# KiCad board myCnc2.kicad_pcb
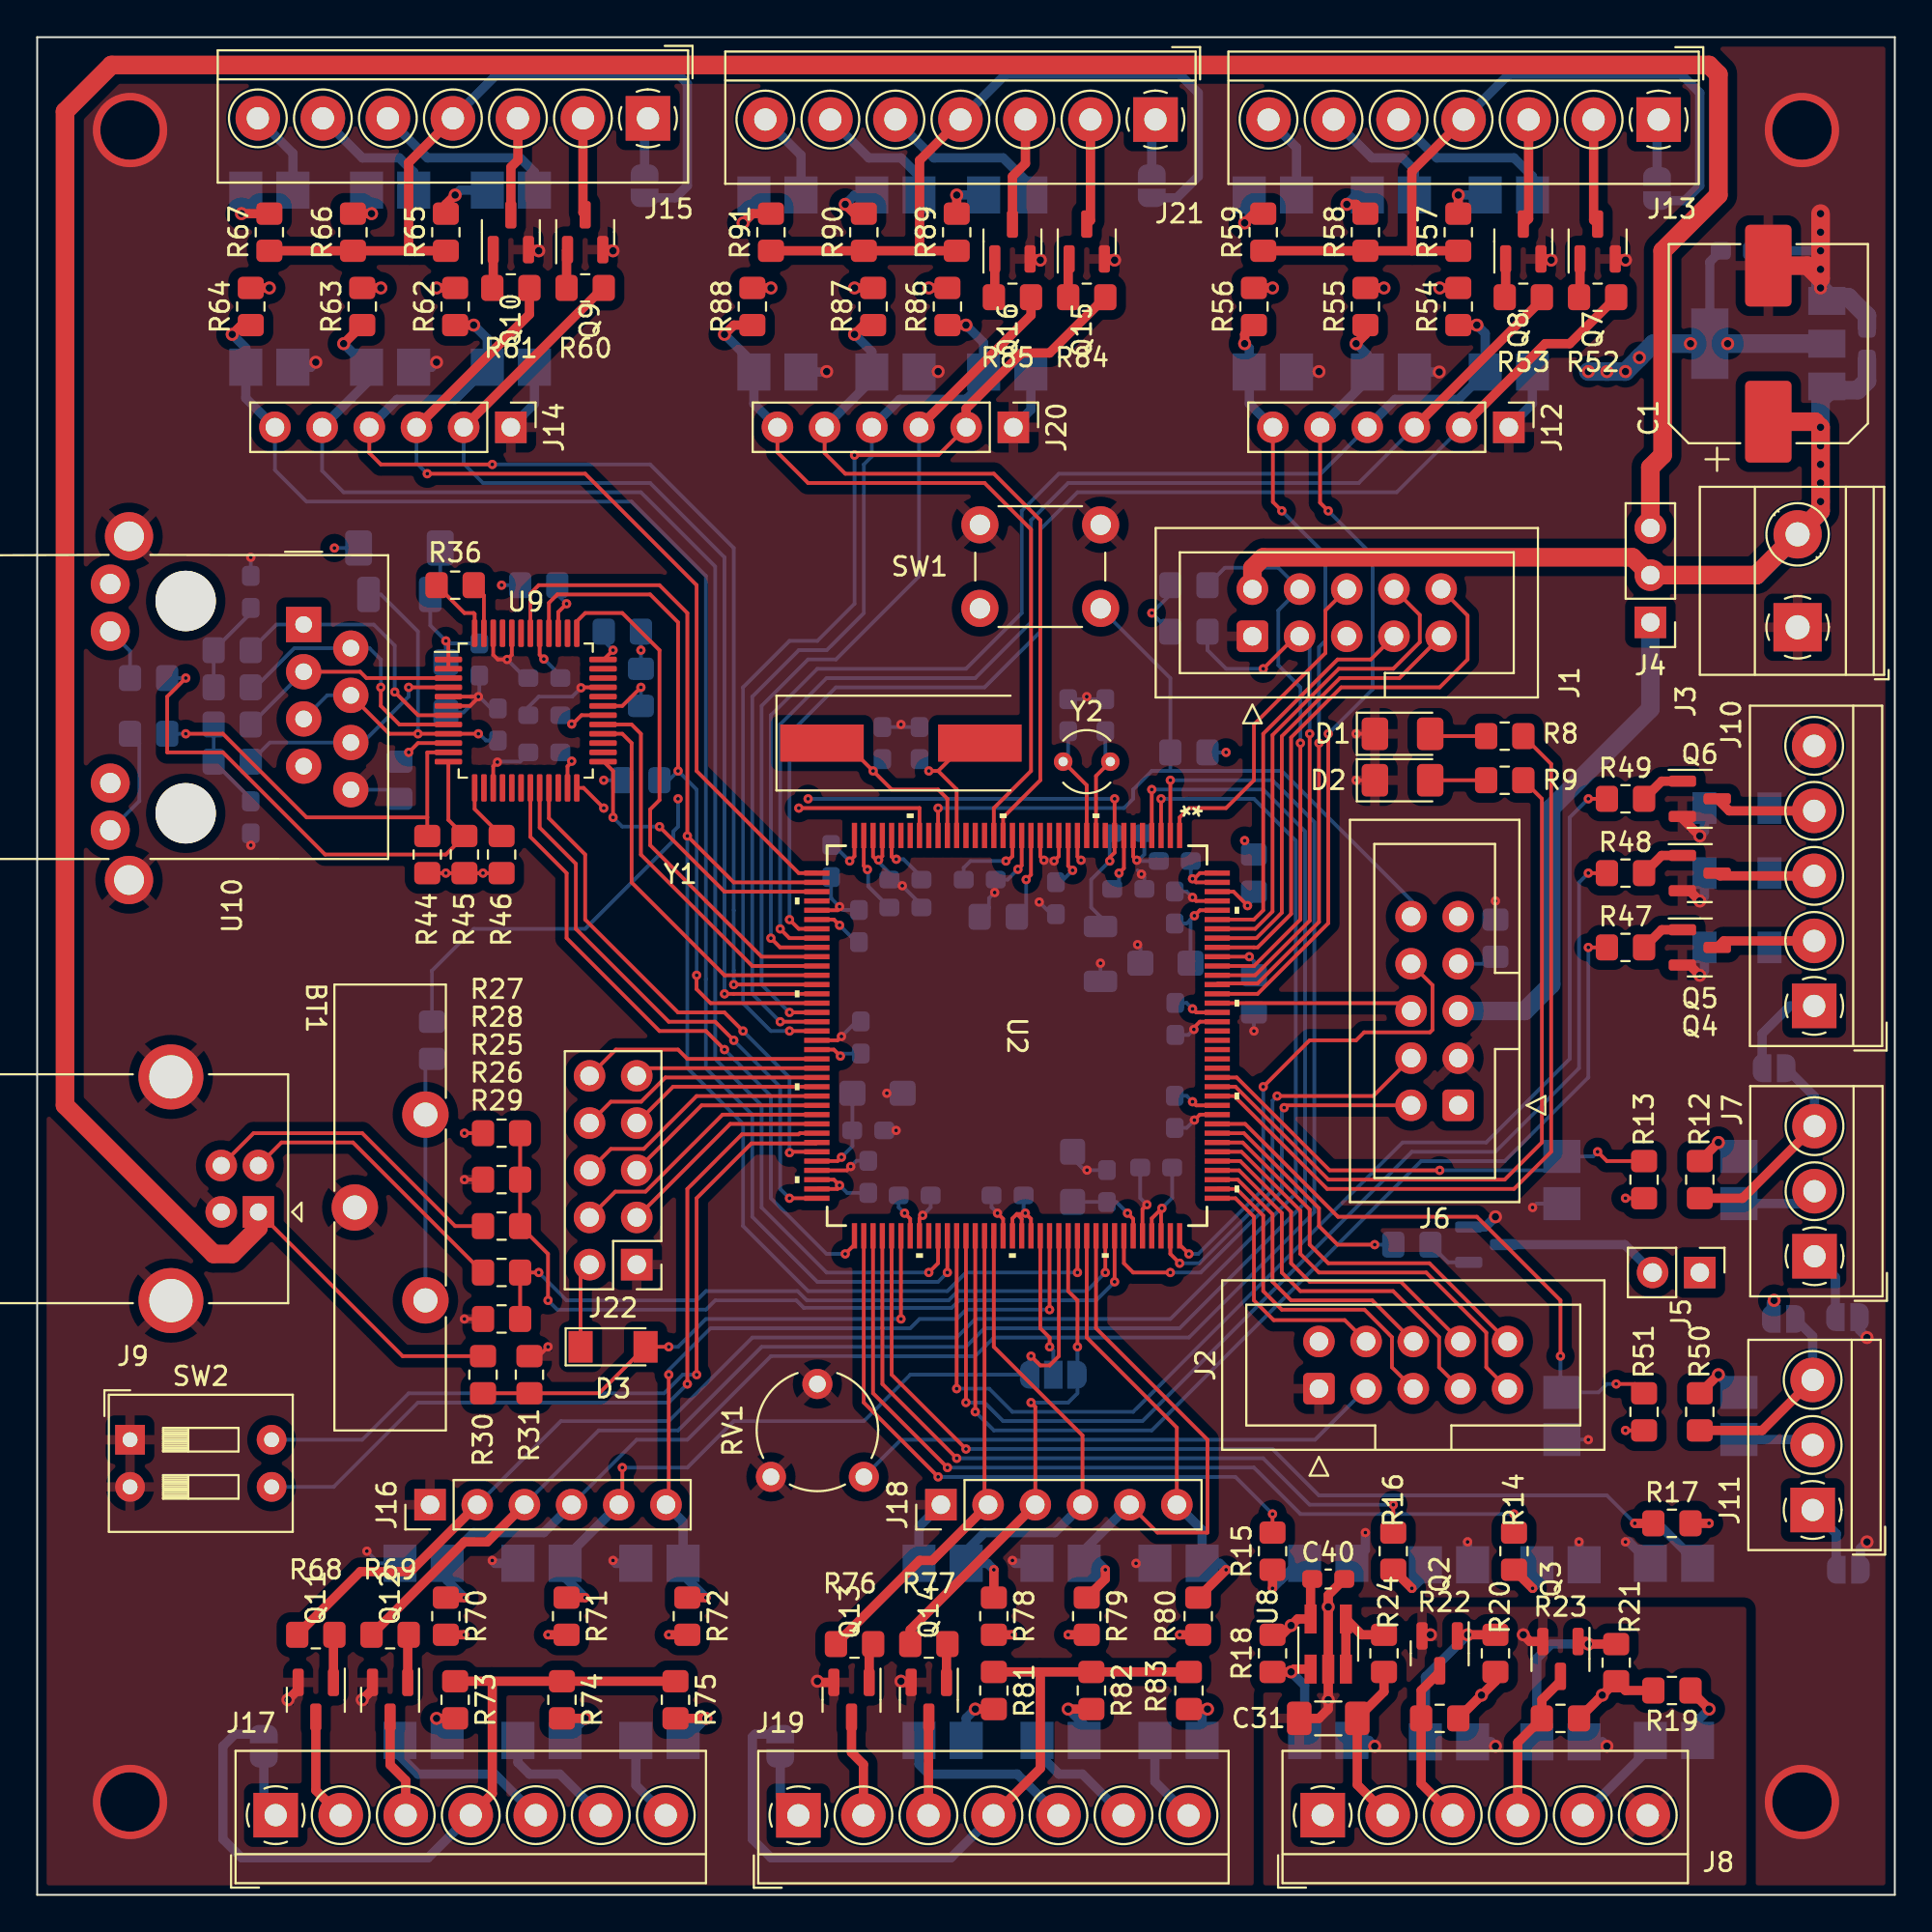
[diagram p0: board, top side]
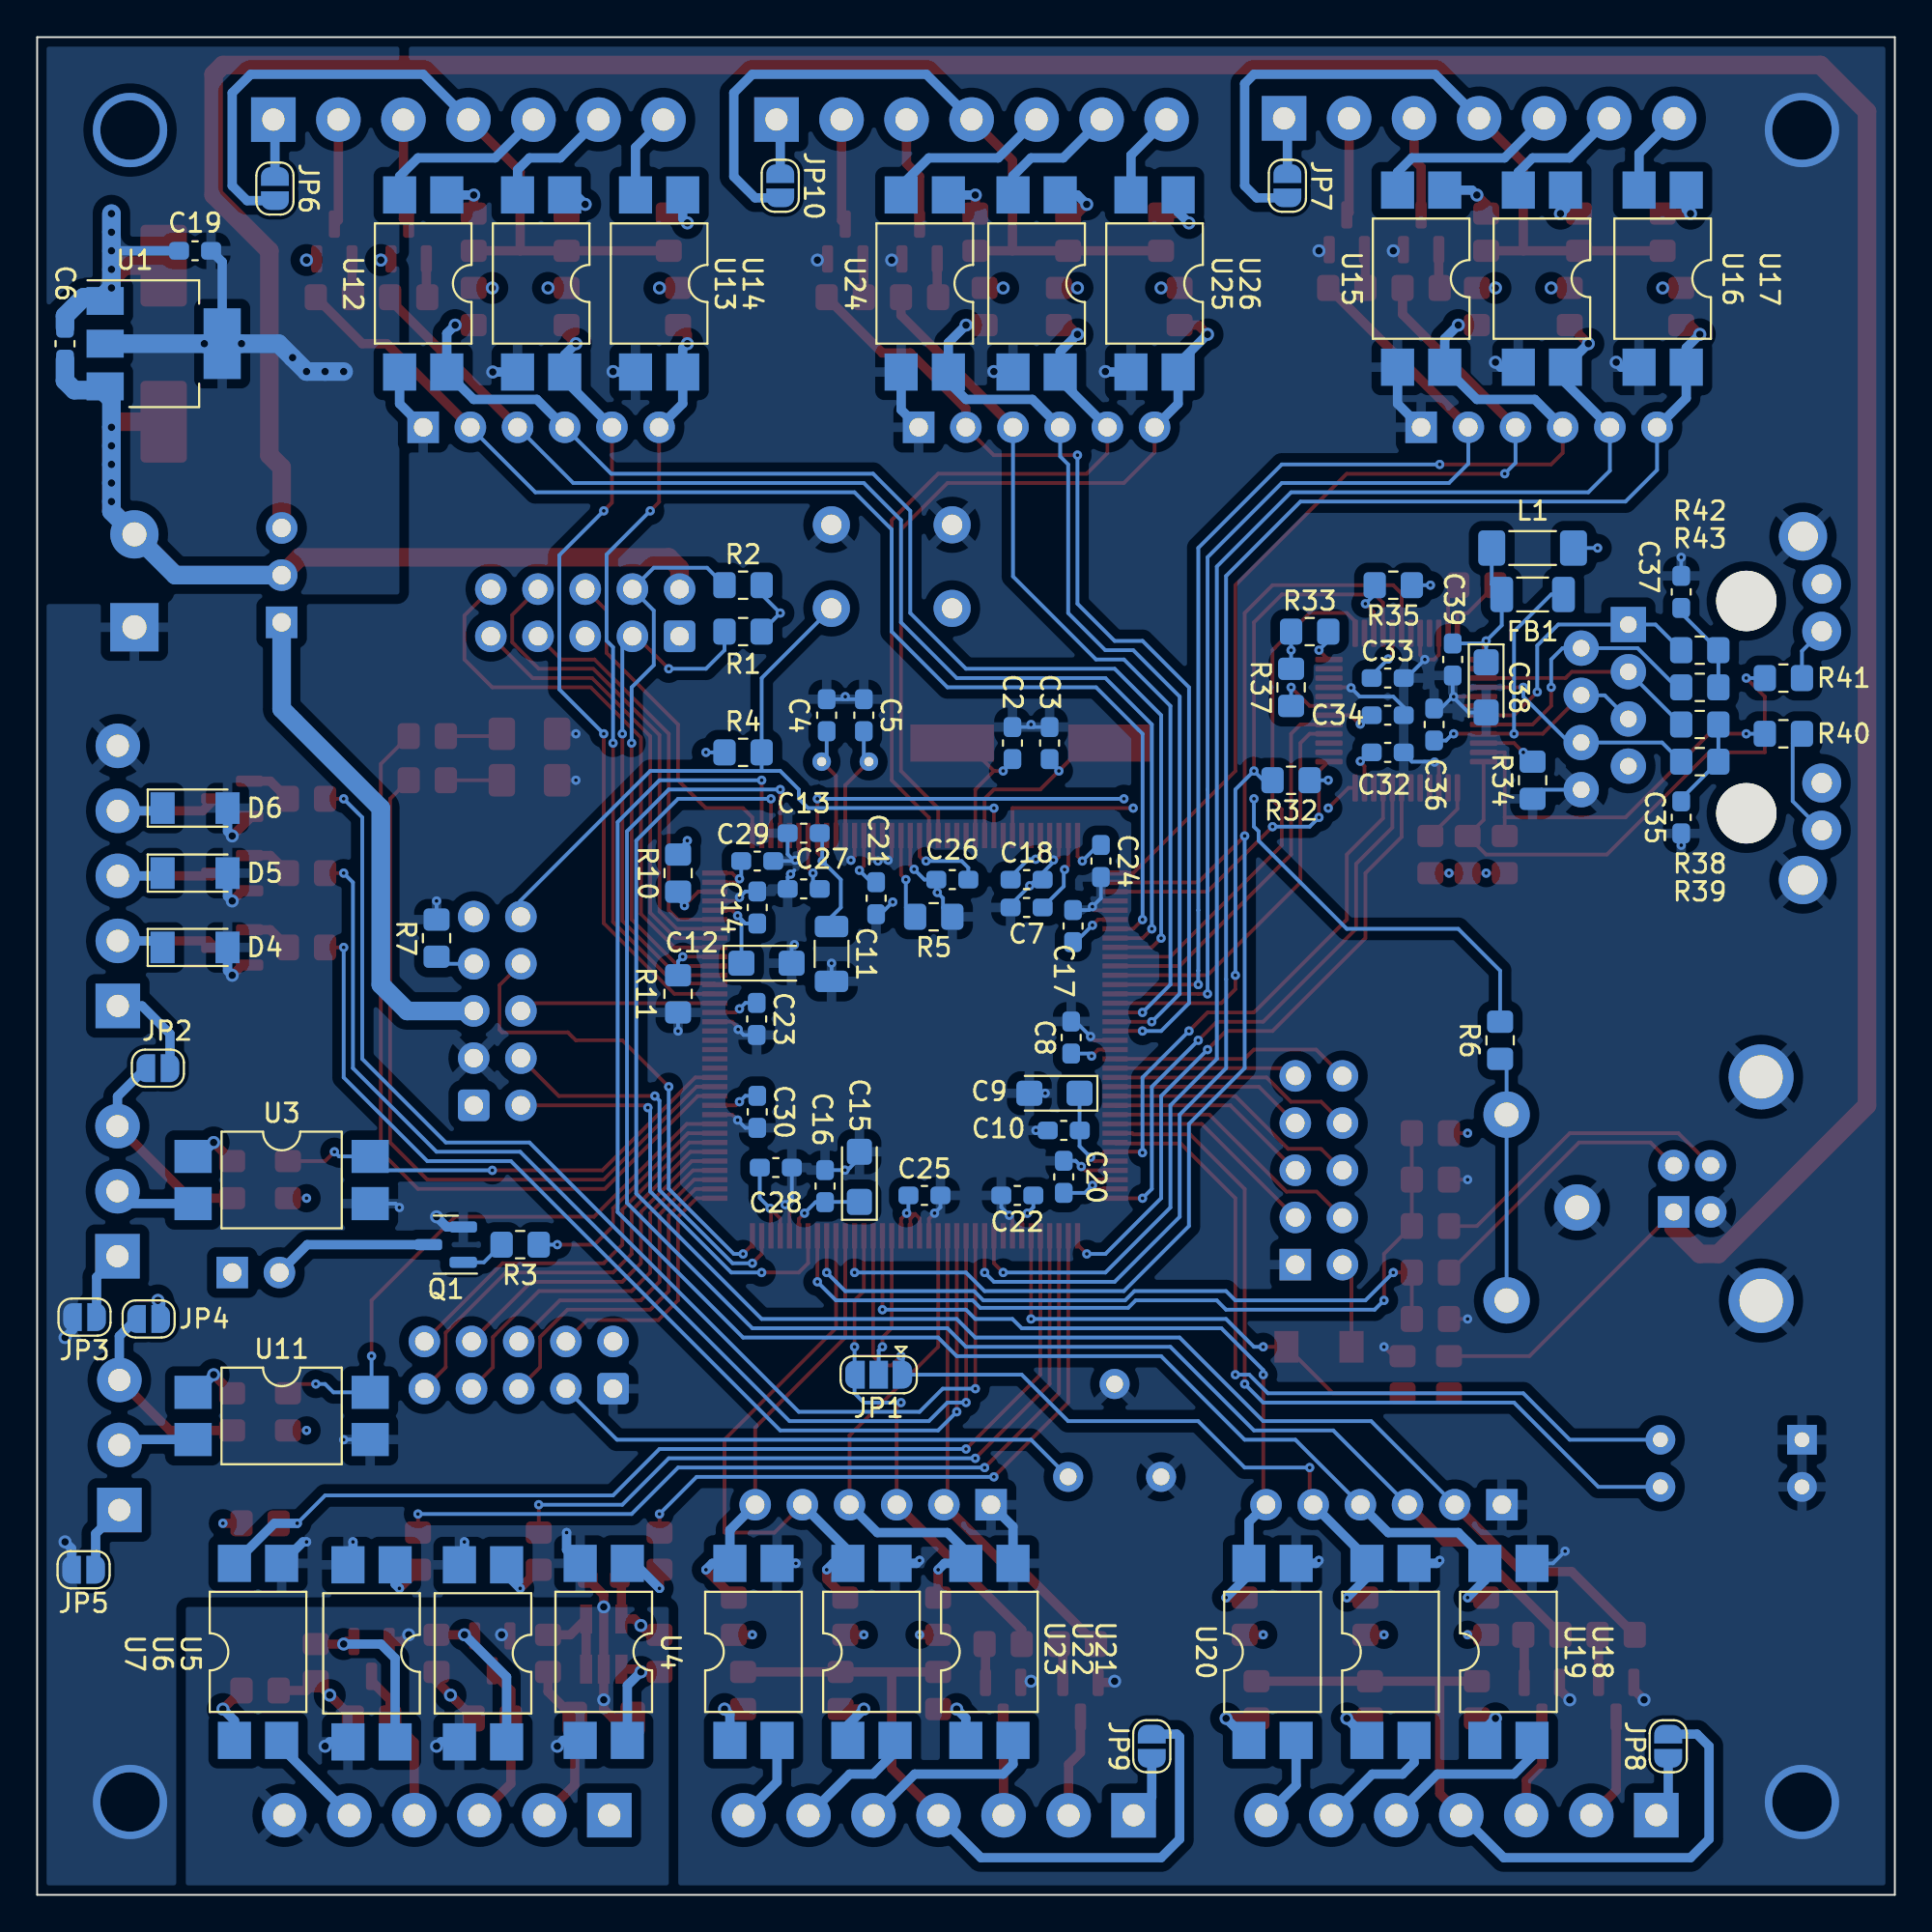
[diagram p1: board, bottom side, seen from below]

Outline 100 x 100 mm; copper layers: Top, In1.Cu (plane), In2.Cu (plane), Bottom. Coordinates in mm from the lower left corner of the outline.
Outline path: 0,100 100,100 100,0 0,0 0,100
Stack: Top 0.035mm / dielectric 1.51mm FR4 er 4.5 / In1.Cu 0.035mm / dielectric 1.51mm FR4 er 4.5 / In2.Cu 0.035mm / dielectric 1.51mm FR4 er 4.5 / Bottom 0.035mm

## Placement (name value [footprint] x y rotation side)
BT1  Battery_Cell  [DS-1092_CR2032_VERTICAL]  19 37 270 top
C1  1000uF/16V  [CP_Elec_10x12.5]  93.19 83.5 90 top
C2  22pF  [C_0603_1608Metric_Pad1.08x0.95mm_HandSolder]  47.5 62 270 bottom
C3  22pF  [C_0603_1608Metric_Pad1.08x0.95mm_HandSolder]  45.5 62 270 bottom
C4  10pF  [C_0603_1608Metric_Pad1.08x0.95mm_HandSolder]  57.5 63.5 270 bottom
C5  10pF  [C_0603_1608Metric_Pad1.08x0.95mm_HandSolder]  55.5 63.5 270 bottom
C6  100nF  [C_0603_1608Metric_Pad1.08x0.95mm_HandSolder]  98.5 83.5 90 bottom
C7  100nF  [C_0603_1608Metric_Pad1.08x0.95mm_HandSolder]  46.74 53.15 0 bottom
C8  100nF  [C_0603_1608Metric_Pad1.08x0.95mm_HandSolder]  44.34 46.15 90 bottom
C9  2.2uF  [CP_EIA-3216-18_Kemet-A]  45.24 43.15 0 bottom
C10  100nF  [C_0603_1608Metric_Pad1.08x0.95mm_HandSolder]  44.74 41.15 0 bottom
C11  1uF  [C_1206_3216Metric]  57.24 50.65 270 bottom
C12  2.2uF  [CP_EIA-3216-18_Kemet-A]  60.74 50.15 180 bottom
C13  100nF  [C_0603_1608Metric_Pad1.08x0.95mm_HandSolder]  58.74 57.15 0 bottom
C14  100nF  [C_0603_1608Metric_Pad1.08x0.95mm_HandSolder]  61.24 53.15 90 bottom
C15  2.2uF  [CP_EIA-3216-18_Kemet-A]  55.74 38.65 90 bottom
C16  100nF  [C_0603_1608Metric_Pad1.08x0.95mm_HandSolder]  57.59 38.15 90 bottom
C17  100nF  [C_0603_1608Metric_Pad1.08x0.95mm_HandSolder]  44.24 52.15 90 bottom
C18  100nF  [C_0603_1608Metric_Pad1.08x0.95mm_HandSolder]  46.74 54.65 180 bottom
C19  100nF  [C_0603_1608Metric_Pad1.08x0.95mm_HandSolder]  91.5 88.5 0 bottom
C20  100nF  [C_0603_1608Metric_Pad1.08x0.95mm_HandSolder]  44.74 38.65 90 bottom
C21  100nF  [C_0603_1608Metric_Pad1.08x0.95mm_HandSolder]  54.84 53.65 270 bottom
C22  100nF  [C_0603_1608Metric_Pad1.08x0.95mm_HandSolder]  47.24 37.65 0 bottom
C23  100nF  [C_0603_1608Metric_Pad1.08x0.95mm_HandSolder]  61.27 47.15 270 bottom
C24  100nF  [C_0603_1608Metric_Pad1.08x0.95mm_HandSolder]  42.74 55.65 270 bottom
C25  100nF  [C_0603_1608Metric_Pad1.08x0.95mm_HandSolder]  52.24 37.65 180 bottom
C26  100nF  [C_0603_1608Metric_Pad1.08x0.95mm_HandSolder]  50.74 54.65 0 bottom
C27  100nF  [C_0603_1608Metric_Pad1.08x0.95mm_HandSolder]  58.74 54.15 0 bottom
C28  100nF  [C_0603_1608Metric_Pad1.08x0.95mm_HandSolder]  60.24 39.15 180 bottom
C29  100nF  [C_0603_1608Metric_Pad1.08x0.95mm_HandSolder]  61.24 55.65 180 bottom
C30  100nF  [C_0603_1608Metric_Pad1.08x0.95mm_HandSolder]  61.24 42.15 270 bottom
C31  1uF  [C_1206_3216Metric_Pad1.33x1.80mm_HandSolder]  69.5 9.5 180 top
C32  100nF  [C_0603_1608Metric_Pad1.08x0.95mm_HandSolder]  27.3 61.5 180 bottom
C33  100nF  [C_0603_1608Metric_Pad1.08x0.95mm_HandSolder]  27.3 65.5 180 bottom
C34  100nF  [C_0603_1608Metric_Pad1.08x0.95mm_HandSolder]  27.3 63.5 180 bottom
C35  100nF  [C_0603_1608Metric_Pad1.08x0.95mm_HandSolder]  11.5 58 90 bottom
C36  100nF  [C_0603_1608Metric_Pad1.08x0.95mm_HandSolder]  24.8 63 90 bottom
C37  100nF  [C_0603_1608Metric_Pad1.08x0.95mm_HandSolder]  11.5 70.14 270 bottom
C38  2.2uF  [CP_EIA-3216-18_Kemet-A]  22 65 270 bottom
C39  100nF  [C_0603_1608Metric_Pad1.08x0.95mm_HandSolder]  23.8 66.5 270 bottom
C40  100nF  [C_0603_1608Metric_Pad1.08x0.95mm_HandSolder]  69.5 17 0 top
D1  LED1  [LED_1206_3216Metric_Pad1.42x1.75mm_HandSolder]  73.5 62.5 0 top
D2  LED2  [LED_1206_3216Metric_Pad1.42x1.75mm_HandSolder]  73.5 60 0 top
D3  1n4148  [D_MiniMELF]  31 29.5 0 top
D4  D  [D_MiniMELF]  91.5 51 180 bottom
D5  D  [D_MiniMELF]  91.5 55 180 bottom
D6  D  [D_MiniMELF]  91.5 58.5 180 bottom
FB1  FerriteBead_Small  [L_1206_3216Metric_Pad1.22x1.90mm_HandSolder]  19.5 70 180 bottom
J1  LCD  [IDC-Header_2x05_P2.54mm_Vertical]  65.42 67.75 90 top
J2  panel  [IDC-Header_2x05_P2.54mm_Vertical]  69 27.25 90 top
J3  Screw_Terminal_01x02  [TerminalBlock_Phoenix_MKDS-1,5-2_1x02_P5.00mm_Horizontal]  94.77 68.23 90 top
J4  Conn_01x03  [PinHeader_1x03_P2.54mm_Vertical]  86.84 68.5 180 top
J5  lcd_bl  [PinHeader_1x02_P2.54mm_Vertical]  89.5 33.5 270 top
J6  jtag  [IDC-Header_2x05_P2.54mm_Vertical]  76.5 42.5 180 top
J7  probe  [TerminalBlock_4Ucon_1x03_P3.50mm_Horizontal]  95.68 34.38 90 top
J8  spindle  [TerminalBlock_4Ucon_1x06_P3.50mm_Horizontal]  69.2 4.29 0 top
J9  USB_B  [USB_B_OST_USB-B1HSxx_Horizontal]  11.91 36.76 180 top
J10  relay  [TerminalBlock_4Ucon_1x05_P3.50mm_Horizontal]  95.66 47.85 90 top
J11  probe  [TerminalBlock_4Ucon_1x03_P3.50mm_Horizontal]  95.58 20.72 90 top
J12  axeTest  [PinHeader_1x06_P2.54mm_Vertical]  79.22 79 270 top
J13  axeCon  [TerminalBlock_4Ucon_1x07_P3.50mm_Horizontal]  87.28 95.56 180 top
J14  axeTest  [PinHeader_1x06_P2.54mm_Vertical]  25.5 79 270 top
J15  axeCon  [TerminalBlock_4Ucon_1x07_P3.50mm_Horizontal]  32.88 95.63 180 top
J16  axeTest  [PinHeader_1x06_P2.54mm_Vertical]  21.15 21 90 top
J17  axeCon  [TerminalBlock_4Ucon_1x07_P3.50mm_Horizontal]  12.84 4.29 0 top
J18  axeTest  [PinHeader_1x06_P2.54mm_Vertical]  48.65 21 90 top
J19  axeCon  [TerminalBlock_4Ucon_1x07_P3.50mm_Horizontal]  40.98 4.28 0 top
J20  axeTest  [PinHeader_1x06_P2.54mm_Vertical]  52.55 79 270 top
J21  axeCon  [TerminalBlock_4Ucon_1x07_P3.50mm_Horizontal]  60.2 95.57 180 top
J22  Conn_02x05_Odd_Even  [PinHeader_2x05_P2.54mm_Vertical]  32.27 33.92 180 top
JP1  SolderJumper_3_Bridged12  [SolderJumper-3_P1.3mm_Open_RoundedPad1.0x1.5mm]  54.7 28 0 bottom
JP2  SolderJumper_2_Bridged  [SolderJumper-2_P1.3mm_Open_RoundedPad1.0x1.5mm]  93.5 44.5 180 bottom
JP3  SolderJumper_2_Bridged  [SolderJumper-2_P1.3mm_Open_RoundedPad1.0x1.5mm]  97.45 31.1 0 bottom
JP4  SolderJumper_2_Bridged  [SolderJumper-2_P1.3mm_Open_RoundedPad1.0x1.5mm]  94 31 180 bottom
JP5  SolderJumper_2_Bridged  [SolderJumper-2_P1.3mm_Open_RoundedPad1.0x1.5mm]  97.5 17.5 0 bottom
JP6  SolderJumper_2_Bridged  [SolderJumper-2_P1.3mm_Open_RoundedPad1.0x1.5mm]  87.2 91.85 270 bottom
JP7  SolderJumper_2_Bridged  [SolderJumper-2_P1.3mm_Open_RoundedPad1.0x1.5mm]  32.7 92 270 bottom
JP8  SolderJumper_2_Bridged  [SolderJumper-2_P1.3mm_Open_RoundedPad1.0x1.5mm]  12.2 8 90 bottom
JP9  SolderJumper_2_Bridged  [SolderJumper-2_P1.3mm_Open_RoundedPad1.0x1.5mm]  40 8 90 bottom
JP10  SolderJumper_2_Bridged  [SolderJumper-2_P1.3mm_Open_RoundedPad1.0x1.5mm]  60 92 270 bottom
L1  4.7uH  [L_1806_4516Metric_Pad1.45x1.90mm_HandSolder]  19.5 72.5 0 bottom
Q1  BC847  [SOT-23]  78 35 0 bottom
Q2  BC847  [SOT-23]  75.5 13 270 top
Q3  BC847  [SOT-23]  82 12.7 270 top
Q4  BC847  [SOT-23]  89.5 51 0 top
Q5  BC847  [SOT-23]  89.5 55 0 top
Q6  BC847  [SOT-23]  89.5 59 0 top
Q7  BC847  [SOT-23]  84 89 90 top
Q8  BC847  [SOT-23]  80 89 90 top
Q9  BC847  [SOT-23]  29.5 89.5 90 top
Q10  BC847  [SOT-23]  25.5 89.5 90 top
Q11  BC847  [SOT-23]  15 10.5 270 top
Q12  BC847  [SOT-23]  19 10.5 270 top
Q13  BC847  [SOT-23]  43.84 10.5 270 top
Q14  BC847  [SOT-23]  48 10.5 270 top
Q15  BC847  [SOT-23]  56.5 89 90 top
Q16  BC847  [SOT-23]  52.5 89 90 top
R1  4.7k  [R_0805_2012Metric_Pad1.20x1.40mm_HandSolder]  62 68 180 bottom
R2  4.7k  [R_0805_2012Metric_Pad1.20x1.40mm_HandSolder]  62 70.5 180 bottom
R3  1k  [R_0805_2012Metric_Pad1.20x1.40mm_HandSolder]  74 35 0 bottom
R4  1k  [R_0805_2012Metric_Pad1.20x1.40mm_HandSolder]  62 61.5 180 bottom
R5  0  [R_0805_2012Metric_Pad1.20x1.40mm_HandSolder]  51.74 52.65 0 bottom
R6  100  [R_0805_2012Metric_Pad1.20x1.40mm_HandSolder]  21.25 46 90 bottom
R7  100  [R_0805_2012Metric_Pad1.20x1.40mm_HandSolder]  78.5 51.5 90 bottom
R8  1k  [R_0805_2012Metric_Pad1.20x1.40mm_HandSolder]  79 62.38 0 top
R9  1k  [R_0805_2012Metric_Pad1.20x1.40mm_HandSolder]  79 60 0 top
R10  1k  [R_0805_2012Metric_Pad1.20x1.40mm_HandSolder]  65.5 55 90 bottom
R11  1k  [R_0805_2012Metric_Pad1.20x1.40mm_HandSolder]  65.5 48.5 270 bottom
R12  330  [R_0805_2012Metric_Pad1.20x1.40mm_HandSolder]  89.5 38.5 270 top
R13  1k  [R_0805_2012Metric_Pad1.20x1.40mm_HandSolder]  86.5 38.5 270 top
R14  330  [R_0805_2012Metric_Pad1.20x1.40mm_HandSolder]  79.5 18.5 90 top
R15  330  [R_0805_2012Metric_Pad1.20x1.40mm_HandSolder]  66.5 18.5 90 top
R16  330  [R_0805_2012Metric_Pad1.20x1.40mm_HandSolder]  73 18.5 90 top
R17  1k  [R_0805_2012Metric_Pad1.20x1.40mm_HandSolder]  88 20 0 top
R18  1k  [R_0805_2012Metric_Pad1.20x1.40mm_HandSolder]  66.5 13 90 top
R19  1k  [R_0805_2012Metric_Pad1.20x1.40mm_HandSolder]  88 11 180 top
R20  1k  [R_0805_2012Metric_Pad1.20x1.40mm_HandSolder]  78.5 13 270 top
R21  1k  [R_0805_2012Metric_Pad1.20x1.40mm_HandSolder]  85 12.5 270 top
R22  1k  [R_0805_2012Metric_Pad1.20x1.40mm_HandSolder]  75.5 9.5 0 top
R23  1k  [R_0805_2012Metric_Pad1.20x1.40mm_HandSolder]  82 9.5 0 top
R24  470  [R_0805_2012Metric_Pad1.20x1.40mm_HandSolder]  72.5 13 270 top
R25  27  [R_0805_2012Metric_Pad1.20x1.40mm_HandSolder]  25 36 0 top
R26  27  [R_0805_2012Metric_Pad1.20x1.40mm_HandSolder]  25 33.5 0 top
R27  1.5k  [R_0805_2012Metric_Pad1.20x1.40mm_HandSolder]  25 41 180 top
R28  330k  [R_0805_2012Metric_Pad1.20x1.40mm_HandSolder]  25 38.5 0 top
R29  330k  [R_0805_2012Metric_Pad1.20x1.40mm_HandSolder]  25 31 0 top
R30  18k  [R_0805_2012Metric_Pad1.20x1.40mm_HandSolder]  24 28 90 top
R31  33k  [R_0805_2012Metric_Pad1.20x1.40mm_HandSolder]  26.5 28 270 top
R32  10k  [R_0805_2012Metric_Pad1.20x1.40mm_HandSolder]  32.5 60 0 bottom
R33  10k  [R_0805_2012Metric_Pad1.20x1.40mm_HandSolder]  31.5 68 180 bottom
R34  10k  [R_0805_2012Metric_Pad1.20x1.40mm_HandSolder]  19.5 60 90 bottom
R35  10k  [R_0805_2012Metric_Pad1.20x1.40mm_HandSolder]  27 70.5 0 bottom
R36  6.8k 1%  [R_0805_2012Metric_Pad1.20x1.40mm_HandSolder]  22.5 70.5 180 top
R37  10k  [R_0805_2012Metric_Pad1.20x1.40mm_HandSolder]  32.5 65 90 bottom
R38  50R  [R_0805_2012Metric_Pad1.20x1.40mm_HandSolder]  10.5 63 0 bottom
R39  50R  [R_0805_2012Metric_Pad1.20x1.40mm_HandSolder]  10.5 61 0 bottom
R40  1k  [R_0805_2012Metric_Pad1.20x1.40mm_HandSolder]  6 62.5 180 bottom
R41  1k  [R_0805_2012Metric_Pad1.20x1.40mm_HandSolder]  6 65.5 180 bottom
R42  50R  [R_0805_2012Metric_Pad1.20x1.40mm_HandSolder]  10.5 67 0 bottom
R43  50R  [R_0805_2012Metric_Pad1.20x1.40mm_HandSolder]  10.5 65 0 bottom
R44  10k  [R_0805_2012Metric_Pad1.20x1.40mm_HandSolder]  21 56 270 top
R45  10k  [R_0805_2012Metric_Pad1.20x1.40mm_HandSolder]  23 56 270 top
R46  10k  [R_0805_2012Metric_Pad1.20x1.40mm_HandSolder]  25 56 270 top
R47  1k  [R_0805_2012Metric_Pad1.20x1.40mm_HandSolder]  85.5 51 0 top
R48  1k  [R_0805_2012Metric_Pad1.20x1.40mm_HandSolder]  85.5 55 0 top
R49  1k  [R_0805_2012Metric_Pad1.20x1.40mm_HandSolder]  85.5 59 0 top
R50  330  [R_0805_2012Metric_Pad1.20x1.40mm_HandSolder]  89.5 26 270 top
R51  1k  [R_0805_2012Metric_Pad1.20x1.40mm_HandSolder]  86.5 26 270 top
R52  1k  [R_0805_2012Metric_Pad1.20x1.40mm_HandSolder]  84 86 0 top
R53  1k  [R_0805_2012Metric_Pad1.20x1.40mm_HandSolder]  80 86 180 top
R54  1k  [R_0805_2012Metric_Pad1.20x1.40mm_HandSolder]  76.5 85.5 90 top
R55  1k  [R_0805_2012Metric_Pad1.20x1.40mm_HandSolder]  71.5 85.5 90 top
R56  1k  [R_0805_2012Metric_Pad1.20x1.40mm_HandSolder]  65.5 85.5 90 top
R57  330  [R_0805_2012Metric_Pad1.20x1.40mm_HandSolder]  76.5 89.5 90 top
R58  330  [R_0805_2012Metric_Pad1.20x1.40mm_HandSolder]  71.5 89.5 90 top
R59  330  [R_0805_2012Metric_Pad1.20x1.40mm_HandSolder]  66 89.5 90 top
R60  1k  [R_0805_2012Metric_Pad1.20x1.40mm_HandSolder]  29.5 86.5 0 top
R61  1k  [R_0805_2012Metric_Pad1.20x1.40mm_HandSolder]  25.5 86.5 180 top
R62  1k  [R_0805_2012Metric_Pad1.20x1.40mm_HandSolder]  22.5 85.5 90 top
R63  1k  [R_0805_2012Metric_Pad1.20x1.40mm_HandSolder]  17.5 85.5 90 top
R64  1k  [R_0805_2012Metric_Pad1.20x1.40mm_HandSolder]  11.5 85.5 90 top
R65  330  [R_0805_2012Metric_Pad1.20x1.40mm_HandSolder]  22 89.5 90 top
R66  330  [R_0805_2012Metric_Pad1.20x1.40mm_HandSolder]  17 89.5 90 top
R67  330  [R_0805_2012Metric_Pad1.20x1.40mm_HandSolder]  12.5 89.5 90 top
R68  1k  [R_0805_2012Metric_Pad1.20x1.40mm_HandSolder]  15 14 180 top
R69  1k  [R_0805_2012Metric_Pad1.20x1.40mm_HandSolder]  19 14 0 top
R70  1k  [R_0805_2012Metric_Pad1.20x1.40mm_HandSolder]  22 15 270 top
R71  1k  [R_0805_2012Metric_Pad1.20x1.40mm_HandSolder]  28.5 15 270 top
R72  1k  [R_0805_2012Metric_Pad1.20x1.40mm_HandSolder]  35 15 270 top
R73  330  [R_0805_2012Metric_Pad1.20x1.40mm_HandSolder]  22.5 10.5 270 top
R74  330  [R_0805_2012Metric_Pad1.20x1.40mm_HandSolder]  28.25 10.5 270 top
R75  330  [R_0805_2012Metric_Pad1.20x1.40mm_HandSolder]  34.36 10.5 270 top
R76  1k  [R_0805_2012Metric_Pad1.20x1.40mm_HandSolder]  44 13.5 180 top
R77  1k  [R_0805_2012Metric_Pad1.20x1.40mm_HandSolder]  48 13.5 0 top
R78  1k  [R_0805_2012Metric_Pad1.20x1.40mm_HandSolder]  51.5 15 270 top
R79  1k  [R_0805_2012Metric_Pad1.20x1.40mm_HandSolder]  56.5 15 270 top
R80  1k  [R_0805_2012Metric_Pad1.20x1.40mm_HandSolder]  62.5 15 270 top
R81  330  [R_0805_2012Metric_Pad1.20x1.40mm_HandSolder]  51.5 11 270 top
R82  330  [R_0805_2012Metric_Pad1.20x1.40mm_HandSolder]  56.75 11 270 top
R83  330  [R_0805_2012Metric_Pad1.20x1.40mm_HandSolder]  62 11 270 top
R84  1k  [R_0805_2012Metric_Pad1.20x1.40mm_HandSolder]  56.5 86 0 top
R85  1k  [R_0805_2012Metric_Pad1.20x1.40mm_HandSolder]  52.5 86 180 top
R86  1k  [R_0805_2012Metric_Pad1.20x1.40mm_HandSolder]  49 85.5 90 top
R87  1k  [R_0805_2012Metric_Pad1.20x1.40mm_HandSolder]  45 85.5 90 top
R88  1k  [R_0805_2012Metric_Pad1.20x1.40mm_HandSolder]  38.5 85.5 90 top
R89  330  [R_0805_2012Metric_Pad1.20x1.40mm_HandSolder]  49.5 89.5 90 top
R90  330  [R_0805_2012Metric_Pad1.20x1.40mm_HandSolder]  44.5 89.5 90 top
R91  330  [R_0805_2012Metric_Pad1.20x1.40mm_HandSolder]  39.5 89.5 90 top
RV1  5k  [Potentiometer_Piher_PT-6-V_Vertical]  44.5 22.5 90 top
SW1  SW_Push  [SW_PUSH_6mm]  50.75 73.75 0 top
SW2  SW_DIP_x02  [SW_DIP_SPSTx02_Slide_9.78x7.26mm_W7.62mm_P2.54mm]  5 24.5 0 top
U1  LT1117-3.3  [SOT-223-3_TabPin2]  93.19 83.5 180 bottom
U2  STM32H725ZGT6  [LQFP_25ZGT6_STM]  52.75 46.25 270 top
U3  LTV-817S  [SMDIP-4_W9.53mm]  86.84 38.48 180 bottom
U4  LTV-817S  [SMDIP-4_W9.53mm]  69.5 13.08 270 bottom
U5  LTV-817S  [SMDIP-4_W9.53mm]  76 13 270 bottom
U6  LTV-817S  [SMDIP-4_W9.53mm]  82 13 270 bottom
U7  LTV-817S  [SMDIP-4_W9.53mm]  88.11 13.08 90 bottom
U8  IRS44273  [SOT-23-5_HandSoldering]  69.5 13.5 90 top
U9  DM9161A  [LQFP-48_7x7mm_P0.5mm]  26.3 63.75 0 top
U10  MTJ-88TX1  [MTJ-88TX1-FSP]  14.34 68.38 270 top
U11  LTV-817S  [SMDIP-4_W9.53mm]  86.84 25.78 180 bottom
U12  LTV-817S  [SMDIP-4_W9.53mm]  79.22 86.74 270 bottom
U13  LTV-817S  [SMDIP-4_W9.53mm]  72.87 86.74 270 bottom
U14  LTV-817S  [SMDIP-4_W9.53mm]  66.52 86.74 270 bottom
U15  LTV-817S  [SMDIP-4_W9.53mm]  25.5 87 270 bottom
U16  LTV-817S  [SMDIP-4_W9.53mm]  19 87 270 bottom
U17  LTV-817S  [SMDIP-4_W9.53mm]  12.5 87 270 bottom
U18  LTV-817S  [SMDIP-4_W9.53mm]  20.8 13.08 90 bottom
U19  LTV-817S  [SMDIP-4_W9.53mm]  27.15 13.08 90 bottom
U20  LTV-817S  [SMDIP-4_W9.53mm]  33.5 13.08 90 bottom
U21  LTV-817S  [SMDIP-4_W9.53mm]  48.74 13.08 90 bottom
U22  LTV-817S  [SMDIP-4_W9.53mm]  55.09 13.08 90 bottom
U23  LTV-817S  [SMDIP-4_W9.53mm]  61.44 13.08 90 bottom
U24  LTV-817S  [SMDIP-4_W9.53mm]  52.22 86.74 270 bottom
U25  LTV-817S  [SMDIP-4_W9.53mm]  46.2 86.74 270 bottom
U26  LTV-817S  [SMDIP-4_W9.53mm]  39.85 86.74 270 bottom
Y1  25MHz  [Crystal_SMD_HC49-SD]  46.5 62 0 top
Y2  Crystal  [Crystal_AT310_D3.0mm_L10.0mm_Vertical]  55.23 61 0 top

## Footprints (pads in the part's own frame, mm; a bottom-side part is the same pattern mirrored in y, then rotated)
C_0603_1608Metric_Pad1.08x0.95mm_HandSolder
  rrect 1.075x0.95 smd: 1(-0.863,0) 2(0.863,0)
C_1206_3216Metric
  rrect 1.15x1.8 smd: 1(-1.475,0) 2(1.475,0)
C_1206_3216Metric_Pad1.33x1.80mm_HandSolder
  rrect 1.325x1.8 smd: 1(-1.562,0) 2(1.562,0)
CP_EIA-3216-18_Kemet-A
  rrect 1.4x1.35 smd: 1(-1.35,0) 2(1.35,0)
CP_Elec_10x12.5
  rrect 4.4x2.5 smd: 1(-4.2,0) 2(4.2,0)
Crystal_AT310_D3.0mm_L10.0mm_Vertical
  round 1 hole 0.5: 1(0,0) 2(2.54,0)
Crystal_SMD_HC49-SD
  rect 4.5x2 smd: 1(-4.25,0) 2(4.25,0)
D_MiniMELF
  rect 1.3x1.7 smd: 1(-1.75,0) 2(1.75,0)
DS-1092_CR2032_VERTICAL
  round 2.5 hole 1.3: 1(-5,1.9) 1(5,1.9) 2(0,-1.9)
IDC-Header_2x05_P2.54mm_Vertical
  rrect 1.7x1.7 hole 1: 1(0,0)
  round 1.7 hole 1: 2(2.54,0) 3(0,-2.54) 4(2.54,-2.54) 5(0,-5.08) 6(2.54,-5.08) 7(0,-7.62) 8(2.54,-7.62) 9(0,-10.16) 10(2.54,-10.16)
L_1206_3216Metric_Pad1.22x1.90mm_HandSolder
  rrect 1.225x1.9 smd: 1(-1.663,0) 2(1.663,0)
L_1806_4516Metric_Pad1.45x1.90mm_HandSolder
  rrect 1.45x1.9 smd: 1(-2.2,0) 2(2.2,0)
LED_1206_3216Metric_Pad1.42x1.75mm_HandSolder
  rrect 1.425x1.75 smd: 1(-1.488,0) 2(1.488,0)
LQFP-48_7x7mm_P0.5mm
  rrect 1.475x0.3 smd: 1(-4.162,2.75) 2(-4.162,2.25) 3(-4.162,1.75) 4(-4.162,1.25) 5(-4.162,0.75) 6(-4.162,0.25) 7(-4.162,-0.25) 8(-4.162,-0.75) 9(-4.162,-1.25) 10(-4.162,-1.75) 11(-4.162,-2.25) 12(-4.162,-2.75) 25(4.162,-2.75) 26(4.162,-2.25) 27(4.162,-1.75) 28(4.162,-1.25) 29(4.162,-0.75) 30(4.162,-0.25) 31(4.162,0.25) 32(4.162,0.75) 33(4.162,1.25) 34(4.162,1.75) 35(4.162,2.25) 36(4.162,2.75)
  rrect 0.3x1.475 smd: 13(-2.75,-4.162) 14(-2.25,-4.162) 15(-1.75,-4.162) 16(-1.25,-4.162) 17(-0.75,-4.162) 18(-0.25,-4.162) 19(0.25,-4.162) 20(0.75,-4.162) 21(1.25,-4.162) 22(1.75,-4.162) 23(2.25,-4.162) 24(2.75,-4.162) 37(2.75,4.162) 38(2.25,4.162) 39(1.75,4.162) 40(1.25,4.162) 41(0.75,4.162) 42(0.25,4.162) 43(-0.25,4.162) 44(-0.75,4.162) 45(-1.25,4.162) 46(-1.75,4.162) 47(-2.25,4.162) 48(-2.75,4.162)
LQFP_25ZGT6_STM
  rect 1.359x0.279 smd: 1(-10.776,8.752) 2(-10.776,8.252) 3(-10.776,7.752) 4(-10.776,7.252) 5(-10.776,6.752) 6(-10.776,6.252) 7(-10.776,5.751) 8(-10.776,5.251) 9(-10.776,4.751) 10(-10.776,4.251) 11(-10.776,3.751) 12(-10.776,3.251) 13(-10.776,2.751) 14(-10.776,2.251) 15(-10.776,1.75) 16(-10.776,1.25) 17(-10.776,0.75) 18(-10.776,0.25) 19(-10.776,-0.25) 20(-10.776,-0.75) 21(-10.776,-1.25) 22(-10.776,-1.75) 23(-10.776,-2.251) 24(-10.776,-2.751) 25(-10.776,-3.251) 26(-10.776,-3.751) 27(-10.776,-4.251) 28(-10.776,-4.751) 29(-10.776,-5.251) 30(-10.776,-5.751) 31(-10.776,-6.252) 32(-10.776,-6.752) 33(-10.776,-7.252) 34(-10.776,-7.752) 35(-10.776,-8.252) 36(-10.776,-8.752) 73(10.776,-8.752) 74(10.776,-8.252) 75(10.776,-7.752) 76(10.776,-7.252) 77(10.776,-6.752) 78(10.776,-6.252) 79(10.776,-5.751) 80(10.776,-5.251) 81(10.776,-4.751) 82(10.776,-4.251) 83(10.776,-3.751) 84(10.776,-3.251) 85(10.776,-2.751) 86(10.776,-2.251) 87(10.776,-1.75) 88(10.776,-1.25) 89(10.776,-0.75) 90(10.776,-0.25) 91(10.776,0.25) 92(10.776,0.75) 93(10.776,1.25) 94(10.776,1.75) 95(10.776,2.251) 96(10.776,2.751) 97(10.776,3.251) 98(10.776,3.751) 99(10.776,4.251) 100(10.776,4.751) 101(10.776,5.251) 102(10.776,5.751) 103(10.776,6.252) 104(10.776,6.752) 105(10.776,7.252) 106(10.776,7.752) 107(10.776,8.252) 108(10.776,8.752)